# Altium PCB Fuel_Dispenser_Controller_V1.0.0.PcbDoc (part 1 of 4) (continued)
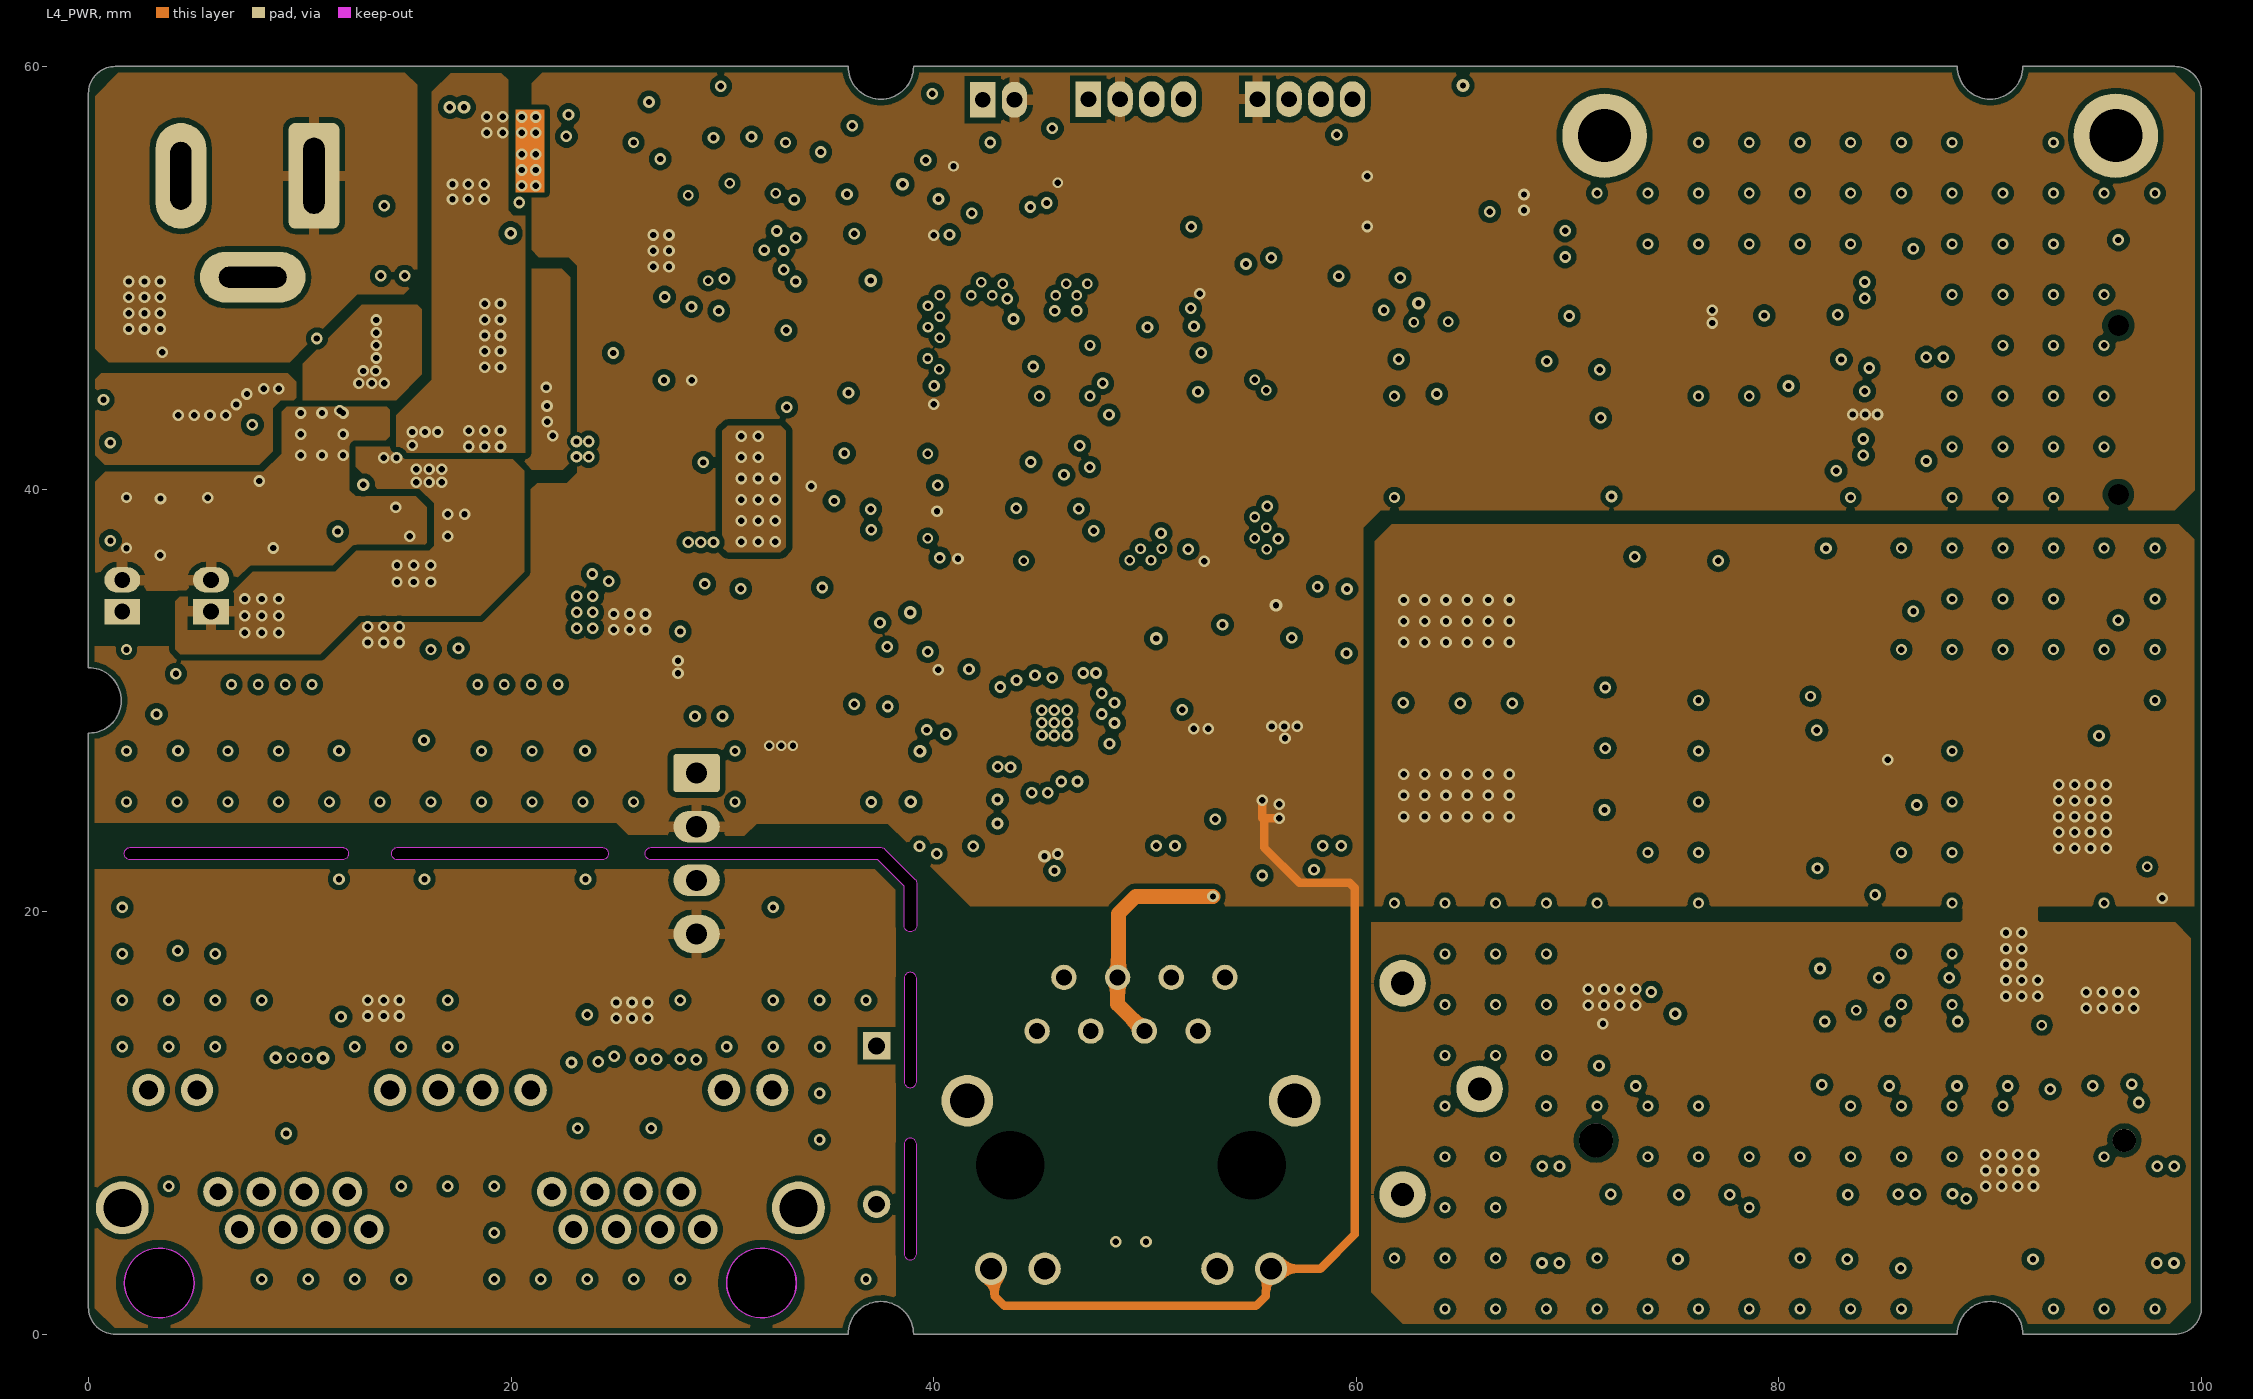
[diagram p4: L4_PWR]
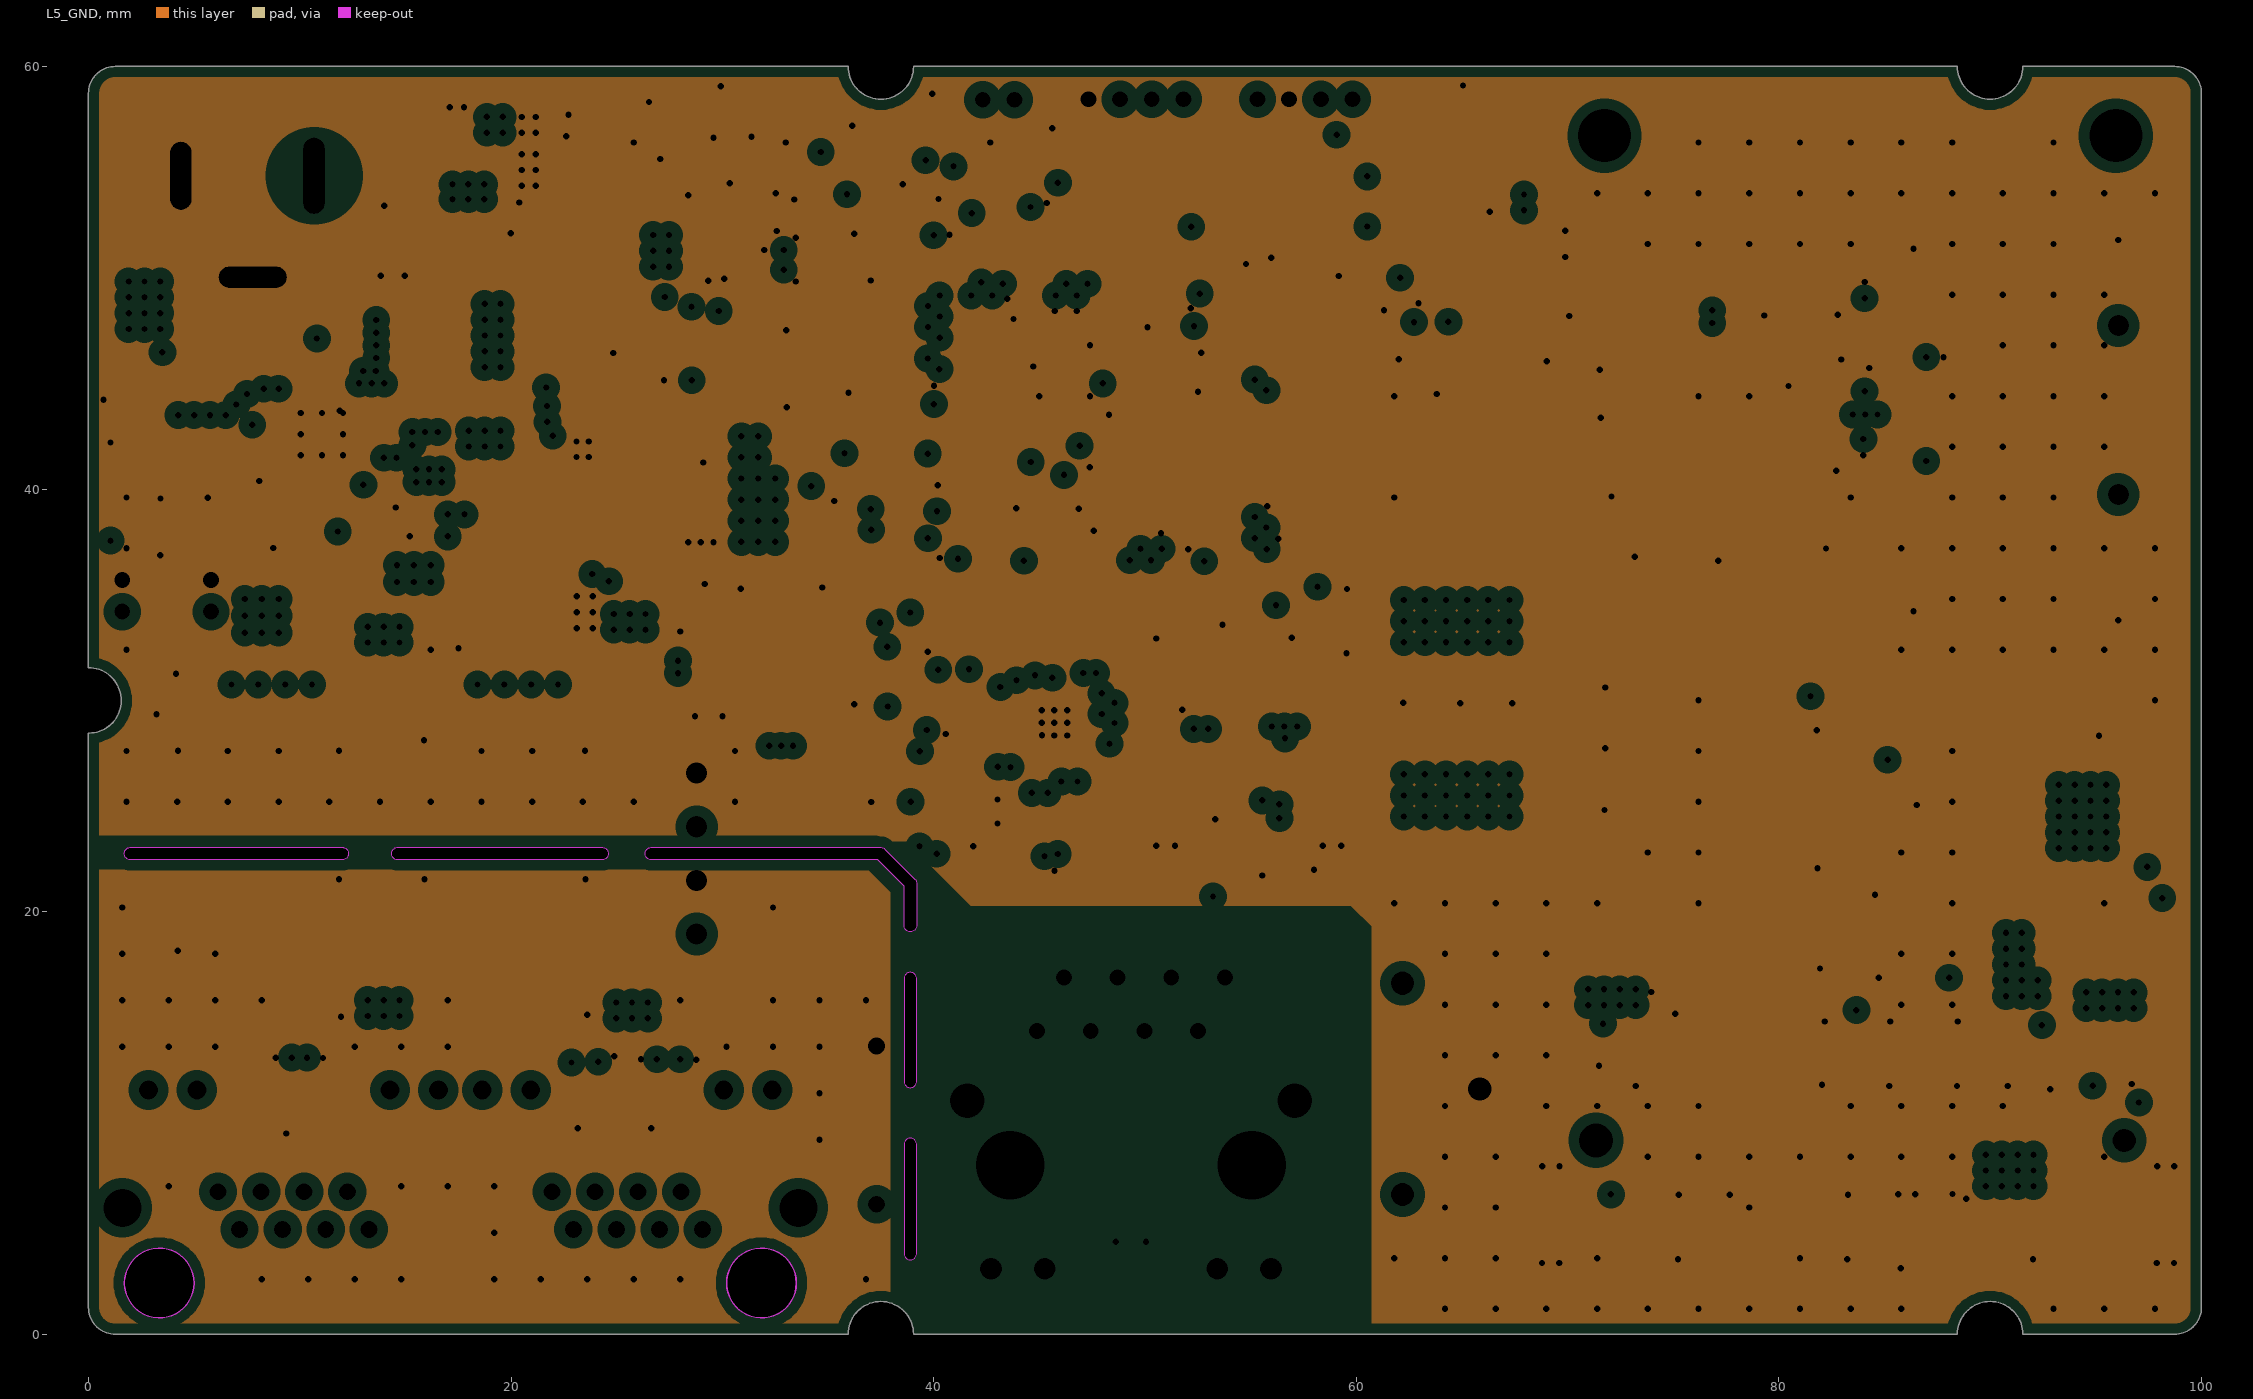
[diagram p5: L5_GND, clearances drawn from the general rule]
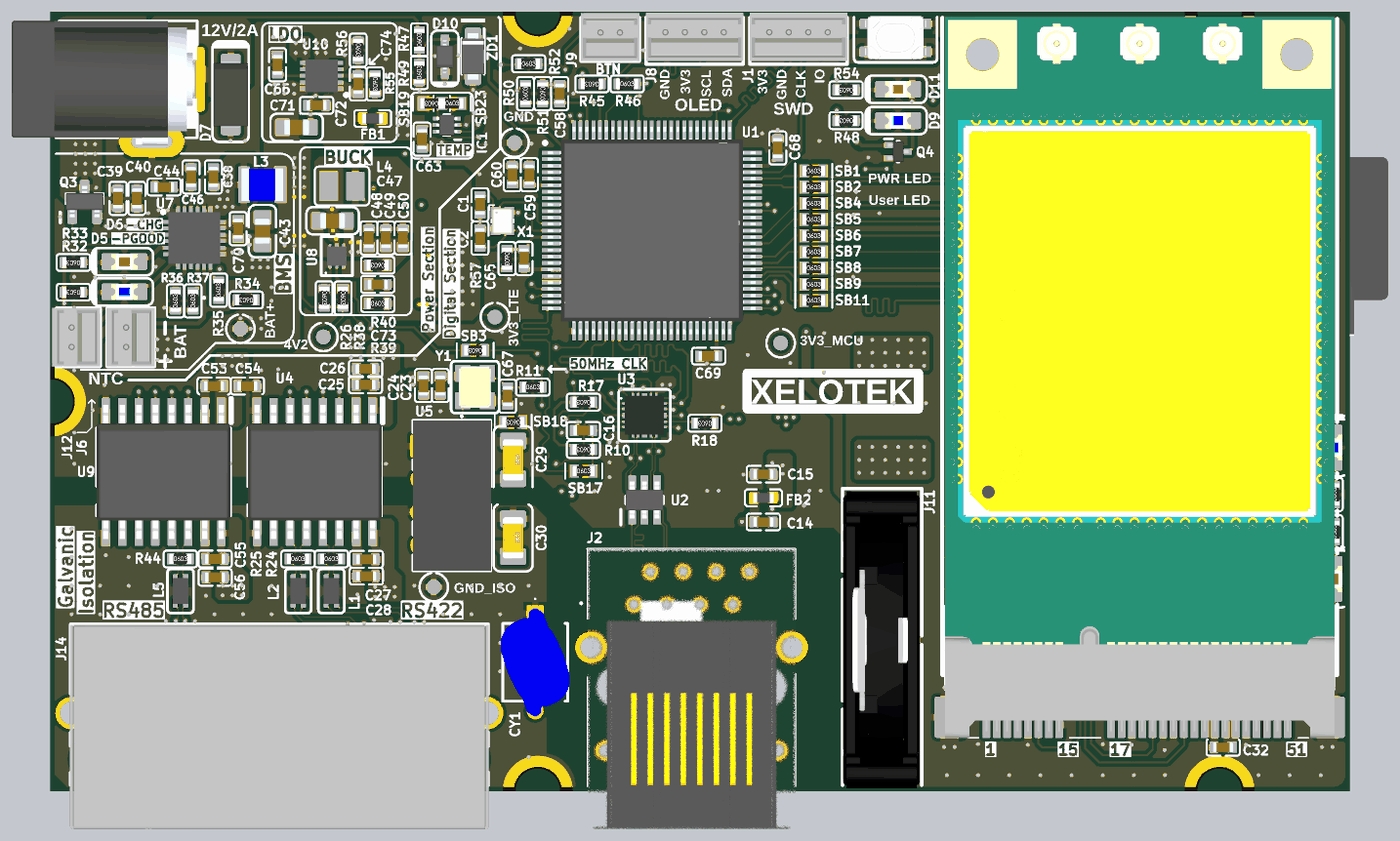
[diagram p9: 3D render of the assembled board from above, using the file's embedded part models]
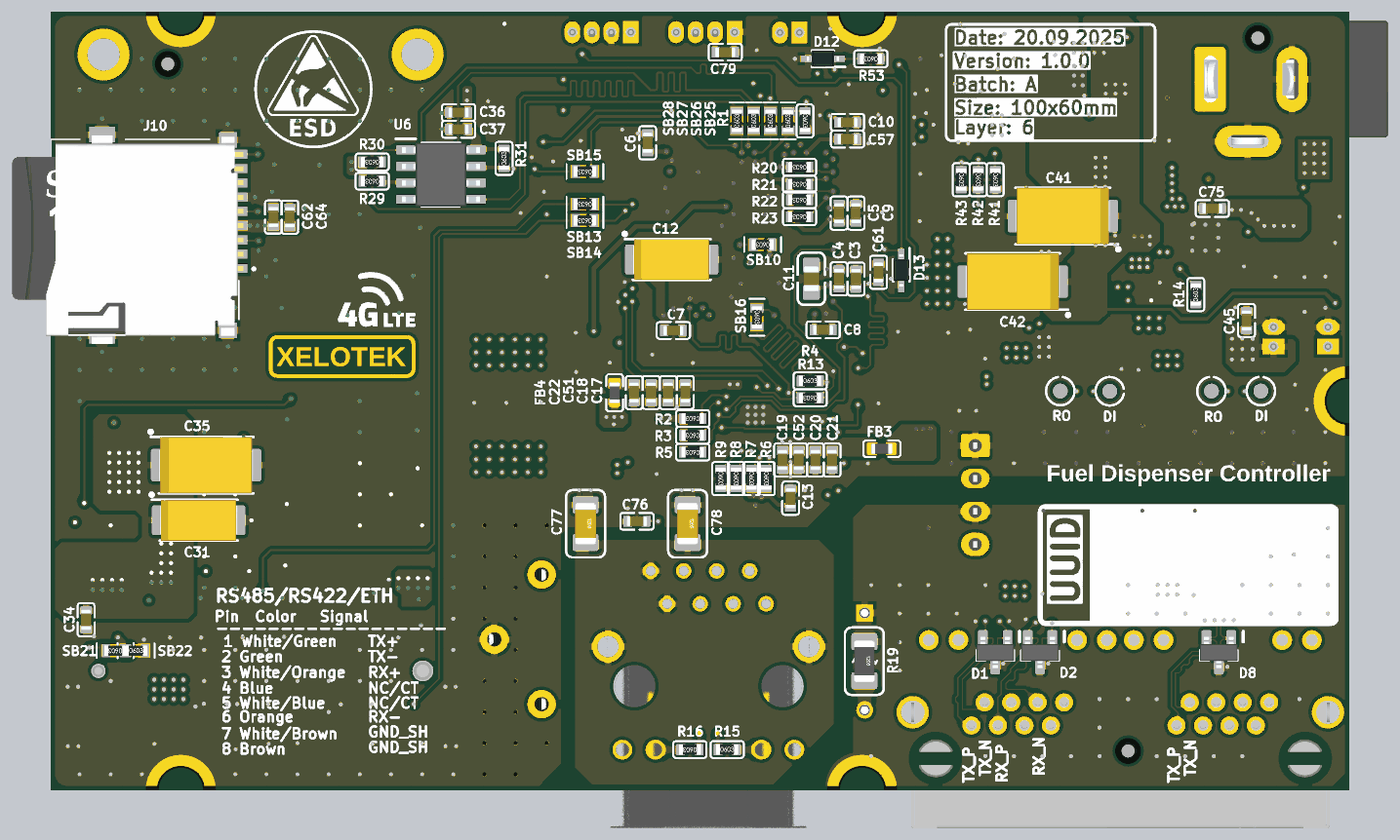
[diagram p10: 3D render of the assembled board from below, using the file's embedded part models]

## Layer stack, top to bottom
Top Solder: solder mask 0.0102, Solder Resist, Dk 3.5
L1_SIG: signal copper 0.035
Dielectric 4: prepreg 0.0993, PP-006, Dk 4.36
L2_GND: plane copper 0.0152, net (Multiple Nets)
Dielectric 2: prepreg 0.5499, PP-006, Dk 4.41
L3_SIG: signal copper 0.0152
Dielectric 1: dielectric 0.1087, FR-4, Dk 4.36
L4_PWR: signal copper 0.0152
Dielectric 3: prepreg 0.5499, PP-006, Dk 4.41
L5_GND: plane copper 0.0152, net (Multiple Nets)
Dielectric 5: prepreg 0.0993, PP-006, Dk 4.36
L6_SIG: signal copper 0.035
Bottom Solder: solder mask 0.0102, Solder Resist, Dk 3.5

## Board outline
1.27,0 cw(c1.27,1.27) 0,1.27 0,28.45 0.025,28.45 ccw(c0.025,29.975) 1.55,29.975 1.55,30 ccw(c0,30) 0,31.55 0,58.73 cw(c1.27,58.73) 1.27,60 35.95,60 ccw(c37.5,60) 37.5,58.45 ccw(c37.5,60) 39.05,60 88.45,60 ccw(c90,60) 90,58.45 ccw(c90,60) 91.55,60 98.73,60 cw(c98.73,58.73) 100,58.73 100,1.27 cw(c98.73,1.27) 98.73,0 91.55,0 ccw(c90,0) 90,1.55 ccw(c90,0) 88.45,0 39.05,0 ccw(c37.5,0) 37.5,1.55 ccw(c37.5,0) 35.95,0
cut-out: 38.6,3.825 ccw(c38.9,3.825) 39.2,3.825 39.2,8.975 ccw(c38.9,8.975) 38.6,8.975
cut-out: 38.6,11.975 ccw(c38.9,11.975) 39.2,11.975 39.2,16.825 ccw(c38.9,16.825) 38.6,16.825
cut-out: 2,22.45 cw(c2,22.75) 2,23.05 12,23.05 cw(c12,22.75) 12.3,22.75 cw(c12,22.75) 12,22.45
cut-out: 14.65,22.45 cw(c14.65,22.75) 14.65,23.05 24.3,23.05 cw(c24.3,22.75) 24.6,22.75 cw(c24.3,22.75) 24.3,22.45
cut-out: 26.65,22.45 cw(c26.65,22.75) 26.65,23.05 37.475,23.05 cw(c37.475,22.75) 37.688,22.962 37.687,22.962 39.112,21.537 39.112,21.538 cw(c38.9,21.325) 39.2,21.325 39.2,19.35 cw(c38.9,19.35) 38.6,19.35 38.6,21.201 37.351,22.45

## Design rules (kind name [scope] priority, off if disabled: settings)
BoardOutlineClearance [All] p1: gap=0.3 ignorepadtopadclearanceinfootprint=FALSE except(0: Text-OutlineEdge Text-CavityEdge Text-CutoutEdge Text-SplitBarrior Text-SplitContinuation)
Clearance DiffPairsEthClearence [InNetClass('ETH_CLASS_100')] p1: gap=0.15 ignorepadtopadclearanceinfootprint=TRUE except(0.101: Arc-Track Track-Track; 0.125: Track-SMDPad; 0.254: Arc-Poly Track-Fill Track-Poly SMDPad-Poly THPad-Poly Via-Poly Fill-Poly Poly-Poly)
Clearance Clearance_Room_U8_BUCK [WithinRoom('Room_U8_BUCK')] p2: gap=0.18 ignorepadtopadclearanceinfootprint=TRUE
Clearance Clearance_Room_PHY [WithinRoom('Room_PHY')] p3: gap=0.15 ignorepadtopadclearanceinfootprint=TRUE except(0.135: Arc-Track Track-Track Track-Via; 0.254: Arc-Poly Track-Poly SMDPad-Poly THPad-Poly Via-Poly Fill-Poly Poly-Poly)
Clearance Middle-layer-Clearance [(ObjectKind = 'TrackWidth') And (Layer = 'L3_SIG') vs (ObjectKind = 'TrackWidth') And (Layer = 'L3_SIG')] p4: gap=0.203 ignorepadtopadclearanceinfootprint=TRUE
Clearance [All] p5: gap=0.15 ignorepadtopadclearanceinfootprint=TRUE except(0.14: Track-Via Track-Region; 0.2: Arc-Region Arc-Hole Track-Hole SMDPad-SMDPad SMDPad-THPad SMDPad-Region SMDPad-Hole THPad-THPad THPad-Region THPad-Hole Via-Via Via-Region Via-Hole Fill-Region Fill-Hole Poly-Hole Region-Hole Text-Hole; 0.254: Arc-Poly Track-Poly SMDPad-Poly THPad-Poly Via-Poly Fill-Poly; 0.3: Arc-Fill Track-Fill SMDPad-Fill THPad-Fill Via-Fill Fill-Fill Poly-Poly; 0.4: Poly-Region)
DiffPairsRouting DiffPairsETH [InDifferentialPairClass('ETH_DIFFPAIR_CLASS_100')] p1: maxlimit=0.178 minlimit=0.102 mostfreqgap=0.178 toplayer_maxgap=0.102 toplayer_prefgap=0.102 toplayer_minwidth=0.097 toplayer_maxwidth=0.097 toplayer_prefwidth=0.097 midlayer2_mingap=0.178 midlayer2_minwidth=0.097 midlayer2_maxwidth=0.097 midlayer2_prefwidth=0.097 midlayer3_mingap=0.178 midlayer3_minwidth=0.097 midlayer3_maxwidth=0.097 midlayer3_prefwidth=0.097 bottomlayer_maxgap=0.102 bottomlayer_prefgap=0.102 bottomlayer_minwidth=0.097 bottomlayer_maxwidth=0.097 bottomlayer_prefwidth=0.097 impedanceprofiledriven=TRUE impedanceprofileid={CC326E08-CB7B-4032-ABD2-1DAD58BCCBE1} impedanceprofilevalue=100.000000 maxuncoupledlength=12.7
DiffPairsRouting DiffPairsRS485 [InDifferentialPairClass('DIFFPAIR_CLASS_120')] p2: maxlimit=0.406 minlimit=0.254 mostfreqgap=0.406 toplayer_maxgap=0.254 toplayer_prefgap=0.254 toplayer_minwidth=0.102 toplayer_maxwidth=0.102 toplayer_prefwidth=0.102 midlayer2_mingap=0.406 midlayer2_minwidth=0.089 midlayer2_maxwidth=0.089 midlayer2_prefwidth=0.089 midlayer3_mingap=0.406 midlayer3_minwidth=0.089 midlayer3_maxwidth=0.089 midlayer3_prefwidth=0.089 bottomlayer_maxgap=0.254 bottomlayer_prefgap=0.254 bottomlayer_minwidth=0.102 bottomlayer_maxwidth=0.102 bottomlayer_prefwidth=0.102 impedanceprofiledriven=TRUE impedanceprofileid={97CBB908-67E4-426E-809A-768971D4473A} impedanceprofilevalue=120.000000 maxuncoupledlength=12.7
DiffPairsRouting DiffPairsUSB_FS [InDifferentialPairClass('USB_EC200_Diff90')] p3: maxlimit=0.152 minlimit=0.152 mostfreqgap=0.152 toplayer_minwidth=0.145 toplayer_maxwidth=0.145 toplayer_prefwidth=0.145 midlayer2_minwidth=0.109 midlayer2_maxwidth=0.109 midlayer2_prefwidth=0.109 midlayer3_minwidth=0.109 midlayer3_maxwidth=0.109 midlayer3_prefwidth=0.109 bottomlayer_minwidth=0.145 bottomlayer_maxwidth=0.145 bottomlayer_prefwidth=0.145 impedanceprofiledriven=TRUE impedanceprofileid={7C2D1D3F-8117-4708-81E9-3B8A5C9B5943} impedanceprofilevalue=90.000000 maxuncoupledlength=12.7
HoleSize [All] p1: absolutevalues=TRUE maxlimit=7 minlimit=0.025 maxpercent=80.000 minpercent=20.000
MatchedLengths "Schematic Matched Net Lengths_1" [InNetClass('ETH_RMII_CLASS_50')] p1: tolerance=0.508 checknetsindiffpair=FALSE checkdiffpairvsdiffpair=TRUE checkxsignals=TRUE checkothers=TRUE
MatchedLengths ETH_diff100 [InDifferentialPairClass('ETH_DIFFPAIR_CLASS_100')] p2: tolerance=0.1 checknetsindiffpair=TRUE checkdiffpairvsdiffpair=FALSE checkxsignals=FALSE checkothers=FALSE
MatchedLengths "Schematic Matched Net Lengths" [InNetClass('I2C1_CLASS')] p3: tolerance=0.5 checknetsindiffpair=FALSE checkdiffpairvsdiffpair=TRUE checkxsignals=TRUE checkothers=TRUE
MatchedLengths "MatchedLengths USB FS" [InNetClass('USB_EC200_CLASS')] p4 off: tolerance=0.1 checknetsindiffpair=TRUE checkdiffpairvsdiffpair=FALSE checkxsignals=FALSE checkothers=FALSE
MatchedLengths "Sch RS485" [InNetClass('RS485_CLASS')] p5: tolerance=0.5 checknetsindiffpair=TRUE checkdiffpairvsdiffpair=FALSE checkxsignals=FALSE checkothers=FALSE
MatchedLengths "Sch SPI1" [InNetClass('SPI1_CLASS')] p6: tolerance=1 checknetsindiffpair=FALSE checkdiffpairvsdiffpair=TRUE checkxsignals=TRUE checkothers=TRUE
MatchedLengths "Sch SPI2" [InNetClass('SPI2_CLASS')] p7: tolerance=0.5 checknetsindiffpair=FALSE checkdiffpairvsdiffpair=TRUE checkxsignals=TRUE checkothers=TRUE
MaxMinImpedance "Schematic Impedance Constraint" [InNetClass('SPI1_CLASS')] p1: minimum=48.00 maximum=52.00
MinimumSolderMaskSliver [All] p1: minsoldermaskwidth=0.01
PlaneClearance [All] p1: clearance=0.508
PlaneConnect [All] p1: pad.planeconnectstyle=Relief pad.reliefexpansion=0.508 pad.reliefentries=4 pad.reliefconductorwidth=0.4 pad.reliefairgap=0.254 via.planeconnectstyle=Direct via.reliefexpansion=0.508 via.reliefentries=4 via.reliefconductorwidth=0.4 via.reliefairgap=0.254
PolygonConnect PolygonConnect_Direct [All vs IsNamedPolygon('FILL_POLY')] p1: connectstyle=Direct reliefconductorwidth=0.254 reliefentries=4 polygonreliefangle="90 Angle" airgapwidth=0.254
PolygonConnect [All] p2: connectstyle=Relief reliefconductorwidth=0.5 reliefentries=4 polygonreliefangle="90 Angle" airgapwidth=0.254
RoomDefinition Room_PHY [WithinRoom('Room_PHY')] p1: confinementstyle=ConfineIn formatcopy=TRUE lockcomponents=FALSE outline 43.46,31.18 48,31.18 48,26.66 43.46,26.66
RoomDefinition Room_U8_BUCK [False vs False] p2: confinementstyle=ConfineIn formatcopy=TRUE lockcomponents=FALSE outline 20.56,44.92 23.29,44.92 23.29,40.07 20.56,40.07
RoutingVias [All] p1: holewidth=0.3 width=0.5 viastyle="Through Hole" minholewidth=0.3 minwidth=0.5 maxholewidth=1 maxwidth=2
SilkToSilkClearance [All] p1: silktosilkclearance=0
SilkToSolderMaskClearance [IsPad] p1: minsilkscreentomaskgap=0 clearancetoexposedcopper=TRUE
SolderMaskExpansion [All] p1: expansion=0.04 istentingtop=FALSE
Width Width_ETH_RMII [InNetClass('ETH_RMII_CLASS_50')] p1: maxlimit=0.142 minlimit=0.112 preferedwidth=0.142 toplayer_minwidth=0.142 midlayer2_maxwidth=0.112 midlayer2_prefwidth=0.112 midlayer3_maxwidth=0.112 midlayer3_prefwidth=0.112 bottomlayer_minwidth=0.142 impedanceprofiledriven=TRUE impedanceprofileid={5B917398-7E7F-4B2A-A1D9-30D2FE944B0C} impedanceprofilevalue=50.000000 minimp=50.000000 maximp=50.000000 favimp=50.000000
Width Width_PWR [InNet('3V3_MCU') OR InNet('+12V') OR InNet('+12V_IN')OR InNet('3V3_EC200')OR InNet('3V3_FB_5') OR InNet('3V3_SW_5') OR InNet('BAT_+3.7V')OR InNet('BAT_OUT_3.7V')OR InNet('BAT_VOLT_SENS')OR InNet('GND')OR InNet('LDO_OUT_5')] p2: maxlimit=1 minlimit=0.12 preferedwidth=0.3
Width [All] p3: maxlimit=1.016 minlimit=0.089 preferedwidth=0.089
23 further rules are at their usual default settings.
